# Altium PCB 256sog - killed.PcbDoc (part 4 of 4)
Units mm, origin at the board's own origin, x right, y up, seen from the top; angles counter-clockwise.
Board outline 297 x 210 mm, 4 copper layers (Top Layer, Power Plane, Ground Plane, Bottom Layer); 217 components, 330 nets, 1251 pads, 678 vias.
Unrouted connection lines stored in the file: 1.
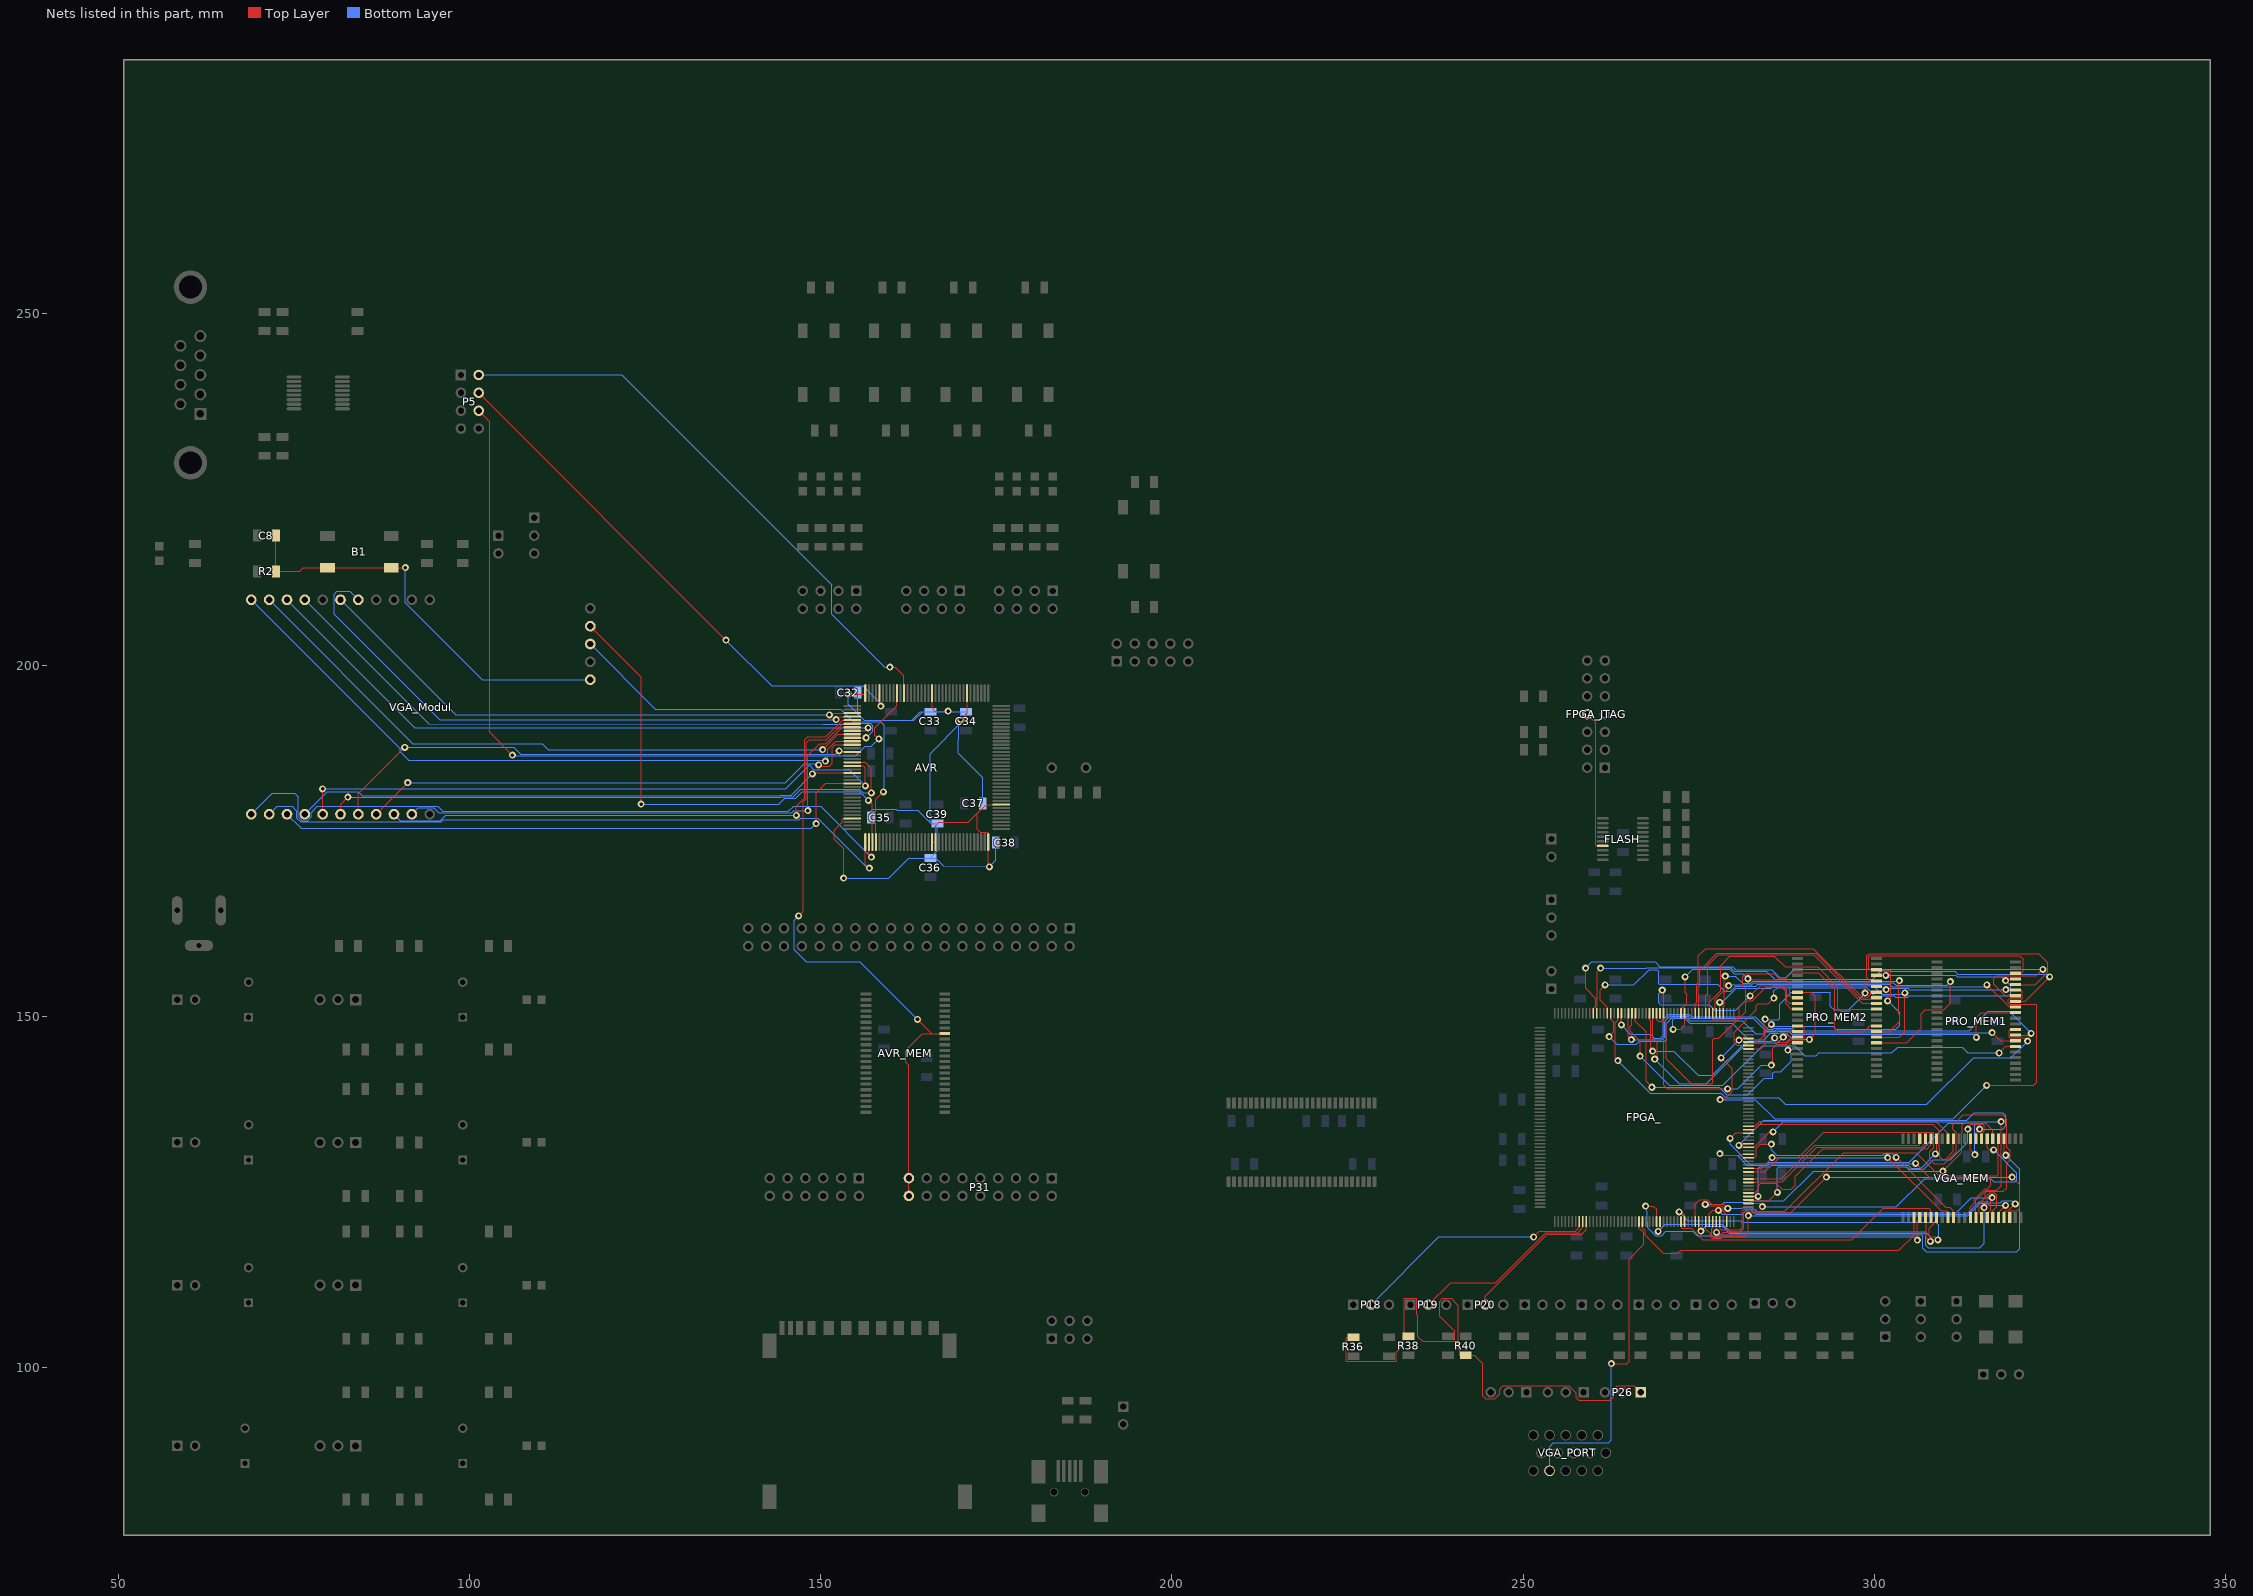
[diagram p6: the nets of this part, all layers, seen from the top]

## Via types
v1: diameter 1, hole 0.5, Top Layer to Bottom Layer, 678 vias

## Nets (pads, with @x,y where several pads share a name; then routed paths per layer and width w, separated by ;. In a path a pad name is that pad's centre, name@x,y a point inside that pad or via, vN(x,y) a via of type N, cw(c..) or ccw(c..) an arc to the next point about the centre after c; other vN are vias at no path point) (continued)
PRO_A13: FPGA_.150 PRO_MEM1.20 PRO_MEM2.20 | length 63.4
  Top Layer w0.1: FPGA_.150@282.033,145.386 283.765,145.386 284.458,146.079 284.458,148.035 v1(285.293,148.869) ; v1(301.854,152.222) 302.285,152.654 302.285,156.566 PRO_MEM2.20@300.24,156.66 299.346,156.66 299.136,156.87 299.136,158.496 299.288,158.648 320.65,158.648 321.132,158.166 321.132,156.431 320.853,156.152 PRO_MEM1.20@320.052,156.152
  Bottom Layer w0.1: v1(285.293,148.869) 285.579,148.584 294.062,148.584 294.437,148.209 303.022,148.209 303.555,148.742 303.555,150.52 v1(301.854,152.222)
PRO_A14: FPGA_.151 PRO_MEM1.19 PRO_MEM2.19 | length 69.8
  Top Layer w0.1: FPGA_.151@282.033,145.886 280.453,145.886 280.035,146.304 280.035,147.792 283.17,150.927 283.17,151.587 283.413,151.831 284.876,151.831 v1(285.674,152.629) ; PRO_MEM2.19@300.24,155.86 v1(301.605,155.86) ; v1(318.643,155.118) 318.877,155.352 PRO_MEM1.19@320.052,155.352
  Bottom Layer w0.1: v1(285.674,152.629) 285.674,153.645 286.106,154.076 298.856,154.076 299.974,152.959 302.743,152.959 302.997,152.705 304.698,152.705 304.927,152.933 319.075,152.933 319.354,153.213 319.354,154.407 v1(318.643,155.118) 318.084,155.677 311.735,155.677 311.551,155.86 v1(301.605,155.86)
PRO_A15: FPGA_.152 PRO_MEM1.18 PRO_MEM2.18 | length 66
  Top Layer w0.1: FPGA_.152@282.033,146.386 283.328,146.386 284.258,147.316 284.258,149.486 v1(284.404,149.631) ; v1(298.653,153.314) 298.653,154.635 299.078,155.06 299.346,155.06 ; PRO_MEM1.18@320.052,154.552 322.878,154.552 324.612,156.286 324.612,157.683 323.342,158.953 299.212,158.953 298.909,158.65 298.909,155.497 299.346,155.06 ; 299.346,155.06 PRO_MEM2.18@300.24,155.06 299.346,155.06
  Bottom Layer w0.1: v1(284.404,149.631) 284.505,149.53 286.258,149.53 286.487,149.758 286.487,151.765 288.163,153.441 293.616,153.441 293.692,153.365 293.692,151.494 294.234,150.952 296.291,150.952 v1(298.653,153.314)
PRO_I/O0: FPGA_.160 PRO_MEM2.7 | length 53.5
  Top Layer w0.1: FPGA_.160@278.458,150.461 278.458,151.384 278.613,151.539 278.613,153.391 279.222,154 v1(279.222,154.381) ; PRO_MEM2.7@300.24,146.26 304.546,146.26 306.603,148.317 306.603,150.368 307.188,150.952 309.804,150.952 310.769,151.917 v1(310.769,154.965)
  Bottom Layer w0.1: v1(279.222,154.381) 279.36,154.519 282.484,154.519 282.778,154.813 302.666,154.813 303.047,154.432 310.236,154.432 v1(310.769,154.965)
PRO_I/O1: FPGA_.161 PRO_MEM2.8 | length 39.3
  Top Layer w0.1: FPGA_.161@277.958,150.461 v1(277.958,152.019) ; PRO_MEM2.8@300.24,147.06 303.499,147.06 304.292,147.853 v1(304.292,153.365)
  Bottom Layer w0.1: v1(277.958,152.019) 278.336,152.019 280.335,154.019 285.262,154.019 285.611,154.368 299.812,154.368 301.007,153.172 304.099,153.172 v1(304.292,153.365)
PRO_I/O2: FPGA_.162 PRO_MEM2.9 | length 41.1
  Top Layer w0.1: FPGA_.162@277.458,150.461 277.458,150.901 277.308,151.051 277.308,152.477 278.562,153.731 278.562,155.232 278.74,155.409 v1(278.74,155.741) ; PRO_MEM2.9@300.24,147.86 302.053,147.86 303.545,149.352 303.545,150.251 303.428,150.368 303.428,154.991 v1(303.53,155.092)
  Bottom Layer w0.1: v1(278.74,155.741) 280.187,155.741 281.209,154.719 282.372,154.719 282.68,155.027 303.464,155.027 v1(303.53,155.092)
PRO_I/O3: FPGA_.163 PRO_MEM2.10 | length 37.7
  Top Layer w0.1: FPGA_.163@276.958,150.461 276.958,149.635 277.063,149.53 280.187,149.53 280.746,150.089 280.746,151.42 281.622,152.295 281.622,153.961 281.263,154.32 281.263,155.651 281.684,156.073 285.679,156.073 286.268,155.484 287.386,155.484 288.138,156.235 291.954,156.235 294.335,153.854 294.335,148.336 294.843,147.828 298.482,147.828 299.314,148.66 PRO_MEM2.10@300.24,148.66
PRO_I/O4: FPGA_.164 PRO_MEM2.13 | length 35.3
  Top Layer w0.1: FPGA_.164@276.458,150.461 276.458,152.025 278.09,153.656 278.09,157.245 279.414,158.57 285.748,158.57 287.269,157.048 291.897,157.048 294.785,154.16 294.785,151.181 295.191,150.774 296.388,150.774 296.673,151.06 PRO_MEM2.13@300.24,151.06
PRO_I/O5: FPGA_.165 PRO_MEM2.14 | length 34.4
  Top Layer w0.1: FPGA_.165@275.958,150.461 275.958,152.94 276.238,153.22 276.238,157.268 277.741,158.771 291.317,158.771 298.228,151.86 PRO_MEM2.14@300.24,151.86
PRO_I/O6: FPGA_.167 PRO_MEM2.15 | length 35.1
  Top Layer w0.1: FPGA_.167@274.958,150.461 274.958,153 274.889,153.069 274.889,154.169 275.089,154.369 275.089,156.52 277.541,158.971 291.587,158.971 298.094,152.464 299.308,152.464 299.503,152.66 PRO_MEM2.15@300.24,152.66
PRO_I/O7: FPGA_.168 PRO_MEM2.16 | length 37.5
  Top Layer w0.1: FPGA_.168@274.458,150.461 274.458,151.79 274.689,152.022 274.689,154.569 274.889,154.769 274.889,158.622 275.937,159.67 291.292,159.67 298.298,152.664 298.943,152.664 299.441,153.162 299.441,153.46 PRO_MEM2.16@300.24,153.46
PRO_I/O8: FPGA_.171 PRO_MEM2.29 | length 35.8
  Top Layer w0.1: v1(271.323,148.158) 272.374,148.158 272.958,148.742 FPGA_.171@272.958,150.461 ; PRO_MEM2.29@289.04,153.46 290.982,153.46 291.541,152.901 291.541,147.54 v1(290.728,146.727)
  Bottom Layer w0.1: v1(271.323,148.158) 271.297,148.184 271.297,149.603 271.431,149.736 272.974,149.736 273.663,149.047 279.73,149.047 282.054,146.723 284.258,146.723 285.124,147.589 286.381,147.589 286.508,147.716 287.325,147.716 288.314,146.727 v1(290.728,146.727)
PRO_I/O9: FPGA_.172 PRO_MEM2.30 | length 24.9
  Top Layer w0.1: FPGA_.172@272.458,150.461 272.458,151.249 272.697,151.249 273.238,151.79 273.238,153.198 273.035,153.401 v1(273.035,155.636) ; v1(281.965,155.372) 282.118,155.219 287.325,155.219 287.897,154.647 287.897,152.901 288.138,152.66 PRO_MEM2.30@289.04,152.66
  Bottom Layer w0.1: v1(273.035,155.636) 274.106,156.708 279.39,156.708 280.014,156.083 281.254,156.083 v1(281.965,155.372)
PRO_I/O10: FPGA_.177 PRO_MEM2.31 | length 29
  Top Layer w0.1: v1(269.773,153.746) 269.958,153.562 FPGA_.177@269.958,150.461 ; v1(282.274,152.945) 283.696,154.368 286.918,154.368 287.518,153.768 287.518,152.263 287.92,151.86 PRO_MEM2.31@289.04,151.86
  Bottom Layer w0.1: v1(269.773,153.746) 269.24,153.213 269.24,151.968 269.519,151.689 276.44,151.689 277.227,150.901 280.23,150.901 v1(282.274,152.945)
PRO_I/O11: FPGA_.178 PRO_MEM2.32 | length 39.4
  Top Layer w0.1: FPGA_.178@269.458,150.461 269.458,149.657 269.85,149.528 270.338,149.04 270.338,143.998 273.914,140.422 276.769,140.422 276.947,140.599 276.947,146.667 277.165,146.885 277.847,146.885 281.627,150.664 281.627,151.967 281.922,152.263 282.598,152.263 284.503,154.168 286.766,154.168 287.314,153.619 287.314,151.883 288.138,151.06 PRO_MEM2.32@289.04,151.06
PRO_I/O12: FPGA_.179 PRO_MEM2.35 | length 38.2
  Top Layer w0.1: FPGA_.179@268.958,150.461 268.958,149.555 269.187,149.327 269.596,149.327 269.963,148.959 269.963,140.208 270.471,139.7 v1(279.07,139.7) ; v1(285.318,143.078) 285.471,143.231 285.471,145.491 286.004,146.025 287.426,146.025 288.087,146.685 289.966,146.685 289.966,148.558 289.865,148.66 PRO_MEM2.35@289.04,148.66
  Bottom Layer w0.1: v1(279.07,139.7) 280.518,139.7 283.896,143.078 v1(285.318,143.078)
PRO_I/O13: FPGA_.180 PRO_MEM2.36 | length 31.8
  Top Layer w0.1: FPGA_.180@268.458,150.461 268.438,149.628 268.438,146.899 269.052,146.284 269.052,144.287 v1(268.707,143.942) ; v1(286.995,147.066) 287.789,147.86 PRO_MEM2.36@289.04,147.86
  Bottom Layer w0.1: v1(268.707,143.942) 272.227,140.422 276.007,140.422 281.857,146.272 286.201,146.272 v1(286.995,147.066)
PRO_I/O14: FPGA_.181 PRO_MEM2.37 | length 30.4
  Top Layer w0.1: FPGA_.181@267.958,150.461 267.958,149.581 268.137,149.401 268.137,145.349 v1(268.402,145.085) ; v1(285.75,146.939) 286.334,146.355 287.426,146.355 288.132,147.06 PRO_MEM2.37@289.04,147.06
  Bottom Layer w0.1: v1(268.402,145.085) 271.424,145.085 274.879,141.63 276.924,141.63 281.776,146.482 285.293,146.482 v1(285.75,146.939)
PRO_I/O15: FPGA_.185 PRO_MEM2.38 | length 38.1
  Top Layer w0.1: FPGA_.185@265.958,150.461 265.958,149.316 267.474,147.8 267.474,140.755 v1(268.3,139.929) ; v1(287.655,145.212) 287.655,145.803 288.112,146.26 PRO_MEM2.38@289.04,146.26
  Bottom Layer w0.1: v1(268.3,139.929) 277.876,139.929 278.968,138.836 281.94,138.836 284.31,141.206 285.48,141.206 285.48,141.513 285.496,141.91 285.699,142.113 286.639,142.113 288.138,143.612 288.138,144.729 v1(287.655,145.212)
PRO_I/O16: FPGA_.186 PRO_MEM1.7 | length 66.1
  Top Layer w0.1: FPGA_.186@265.458,150.461 265.458,148.799 265.237,148.579 265.237,147.876 266.624,146.489 v1(266.624,144.362) ; v1(317.729,144.805) 318.675,145.752 PRO_MEM1.7@320.052,145.752
  Bottom Layer w0.1: v1(266.624,144.362) 270.764,140.222 278.409,140.222 284.06,145.872 288.62,145.872 290.089,144.404 291.675,144.404 292.076,144.805 302.465,144.805 303.278,145.618 312.471,145.618 313.284,144.805 v1(317.729,144.805)
PRO_I/O17: FPGA_.187 PRO_MEM1.8 | length 62.9
  Top Layer w0.1: FPGA_.187@264.958,150.461 264.958,147.117 v1(265.364,146.71) ; v1(316.732,147.701) 317.881,146.552 PRO_MEM1.8@320.052,146.552
  Bottom Layer w0.1: v1(265.364,146.71) 265.376,146.699 269.733,146.699 270.138,147.103 270.138,149.345 270.928,150.136 273.328,150.136 273.682,149.782 282.755,149.782 284.538,147.999 285.861,147.999 285.981,148.119 287.971,148.119 288.389,147.701 v1(316.732,147.701)
PRO_I/O18: FPGA_.189 PRO_MEM1.9 | length 69.4
  Top Layer w0.1: v1(263.958,148.793) FPGA_.189@263.958,150.461 ; PRO_MEM1.9@320.052,147.352 322.041,147.352 v1(322.282,147.593)
  Bottom Layer w0.1: v1(263.958,148.793) 265.252,147.499 268.055,147.499 268.656,146.899 269.53,146.899 269.938,147.306 269.938,149.592 270.681,150.336 273.563,150.336 273.917,149.982 283.022,149.982 284.804,148.199 285.541,148.199 285.661,148.319 288.303,148.319 288.646,147.977 313.432,147.977 316.205,150.749 319.126,150.749 v1(322.282,147.593)
PRO_I/O19: FPGA_.190 PRO_MEM1.10 | length 76.5
  Top Layer w0.1: v1(263.458,143.713) 263.105,144.066 263.105,149.09 263.458,149.443 FPGA_.190@263.458,150.461 ; PRO_MEM1.10@320.052,148.152 319.227,148.152 319.126,148.05 319.126,147.066 319.227,146.964 321.31,146.964 v1(321.767,146.507)
  Bottom Layer w0.1: v1(263.458,143.713) 268.081,139.091 278.176,139.091 278.835,138.431 286.324,138.431 287.259,137.496 307.447,137.496 314.096,144.145 319.405,144.145 v1(321.767,146.507)
PRO_I/O20: FPGA_.192 PRO_MEM1.13 | length 69.7
  Top Layer w0.1: v1(262.204,147.142) 262.905,147.843 262.905,149.159 262.458,149.606 FPGA_.192@262.458,150.461 ; v1(314.477,147.041) 314.477,149.835 315.195,150.552 PRO_MEM1.13@320.052,150.552
  Bottom Layer w0.1: v1(262.204,147.142) 263.286,146.06 266.1,146.06 266.539,146.499 270.126,146.499 270.338,146.71 270.338,149.002 271.272,149.936 273.126,149.936 273.681,149.382 281.188,149.382 283.047,147.523 284.247,147.523 284.518,147.794 286.181,147.794 286.303,147.916 287.77,147.916 288.239,147.447 314.071,147.447 v1(314.477,147.041)
PRO_I/O21: FPGA_.193 PRO_MEM1.14 | length 68.3
  Top Layer w0.1: v1(261.645,154.508) 260.94,153.802 260.94,152.344 261.958,151.325 FPGA_.193@261.958,150.461 ; v1(315.969,154.508) 319.126,151.352 PRO_MEM1.14@320.052,151.352
  Bottom Layer w0.1: v1(261.645,154.508) 265.745,154.508 267.919,156.682 269.007,156.682 269.24,156.449 269.24,154.671 269.338,154.572 277.69,154.572 278.643,153.619 279.542,153.619 280.242,154.319 283.105,154.319 283.359,154.572 302.113,154.572 302.459,154.226 315.688,154.226 v1(315.969,154.508)
PRO_I/O22: FPGA_.196 PRO_MEM1.15 | length 78.4
  Top Layer w0.1: FPGA_.196@260.458,150.461 260.458,151.156 260.54,151.156 260.54,156.4 v1(261.01,156.87) ; PRO_MEM1.15@320.052,152.152 321.418,152.152 v1(324.891,155.626)
  Bottom Layer w0.1: v1(261.01,156.87) 267.515,156.87 267.552,156.908 279.547,156.908 280.022,156.432 284.601,156.432 285.749,155.284 299.729,155.284 300.975,156.53 302.178,156.53 302.275,156.432 311.448,156.432 311.848,156.032 324.485,156.032 v1(324.891,155.626)
PRO_I/O23: FPGA_.197 PRO_MEM1.16 | length 86.2
  Top Layer w0.1: v1(258.851,156.896) 258.851,153.99 260.34,152.502 260.34,151.486 259.958,151.105 FPGA_.197@259.958,150.461 ; PRO_MEM1.16@320.052,152.952 318.618,152.952 316.977,154.593 316.977,155.346 317.398,155.768 323.027,155.768 v1(323.952,156.693)
  Bottom Layer w0.1: v1(258.851,156.896) 259.712,157.756 268.752,157.756 269.401,157.108 279.79,157.108 280.265,156.632 285.363,156.632 286.512,155.484 287.325,155.484 288.571,156.73 302.475,156.73 302.512,156.693 v1(323.952,156.693)
PRO_WE: FPGA_.153 PRO_MEM1.17 PRO_MEM2.17 | length 100.8
  Top Layer w0.1: v1(278.003,138.176) 278.536,138.176 279.72,139.359 279.72,142.53 v1(278.155,144.094) ; v1(280.695,146.634) 280.947,146.886 FPGA_.153@282.033,146.886 ; PRO_MEM2.17@300.24,154.26 301.187,154.26 v1(301.625,153.822) ; v1(315.925,140.183) 322.631,140.183 323.063,140.614 323.063,151.613 322.936,151.74 319.227,151.74 319.024,151.943 319.024,152.349 319.227,152.552 320.98,152.552 320.98,153.625 320.853,153.752 PRO_MEM1.17@320.052,153.752 318.764,153.752 v1(318.694,153.822)
  Bottom Layer w0.1: v1(278.003,138.176) 283.007,138.176 285.754,135.429 311.172,135.429 v1(315.925,140.183) ; v1(278.155,144.094) v1(280.695,146.634) ; v1(301.625,153.822) 301.82,154.017 304.737,154.017 304.932,153.822 v1(318.694,153.822)
RED: P26.1 R36.2 R38.2 R40.2 | length 87.3
  Top Layer w0.1: R36.2@225.806,104.347 224.895,104.347 224.79,104.242 224.79,100.94 231.902,100.94 231.902,102.235 232.918,103.251 232.918,104.474 R38.2@233.02,104.474 ; P26.1@266.7,96.52 265.786,97.434 263.347,97.434 262.89,96.977 262.89,95.91 262.331,95.352 257.861,95.352 257.505,95.707 257.505,96.368 256.438,97.434 247.091,97.434 246.634,96.977 246.634,96.317 245.923,95.606 244.653,95.606 244.246,96.012 244.246,100.555 243.027,101.774 R40.2@241.808,101.774 240.97,101.774 240.97,102.489 240.767,102.692 240.767,108.864 239.765,109.866 238.557,109.866 238.114,109.423 238.114,107.335 240.268,105.181 240.268,103.759 235.687,103.759 235.001,104.445 235.001,107.377 234.834,107.544 234.834,109.866 233.034,109.866 233.034,109.488 233.02,109.474 R38.2@233.02,104.474 ; R38.2@233.02,104.474 R38.2@233.68,104.474 R38.2@233.02,104.474
RED0: FPGA_.60 P18.2 | length 35
  Top Layer w0.1: v1(251.46,118.618) 252.281,119.439 257.408,119.439 257.958,119.99 FPGA_.60@257.958,120.811
  Bottom Layer w0.1: P18.2@228.346,108.966 237.998,118.618 v1(251.46,118.618)
RED1: FPGA_.61 P19.2 | length 27.4
  Top Layer w0.1: P19.2@236.474,108.966 239.649,112.141 246.101,112.141 253.199,119.239 257.712,119.239 258.458,119.985 FPGA_.61@258.458,120.811
RED2: FPGA_.62 P20.2 | length 20.6
  Top Layer w0.1: P20.2@244.602,108.966 244.602,110.185 253.441,119.024 258.298,119.024 258.958,119.685 FPGA_.62@258.958,120.811
RTS: AVR.32 P5.4 | length 77.9
  Top Layer w0.1: P5.4@101.346,238.76 v1(136.525,203.581) ; AVR.32@158.35,196.02 158.35,194.38 v1(158.572,194.158)
  Bottom Layer w0.1: v1(136.525,203.581) 143.018,197.088 155.981,197.088 158.572,194.497 v1(158.572,194.158)
RXD: AVR.25 P5.2 | length 83.2
  Top Layer w0.1: v1(159.842,199.72) 160.604,199.72 161.85,198.474 AVR.25@161.85,196.02
  Bottom Layer w0.1: P5.2@101.346,241.3 121.717,241.3 151.562,211.455 151.562,207.264 159.106,199.72 v1(159.842,199.72)
TXD: AVR.27 P5.6 | length 112.2
  Top Layer w0.1: P5.6@101.346,236.22 102.895,234.671 102.895,190.424 v1(106.121,187.198) ; v1(158.267,189.509) 157.719,190.058 157.719,191.12 160.85,194.251 AVR.27@160.85,196.02
  Bottom Layer w0.1: v1(106.121,187.198) 106.223,187.096 154.991,187.096 156.362,188.468 157.226,188.468 v1(158.267,189.509)
V-SYNC: FPGA_.77 VGA_PORT.14 | length 47.2
  Top Layer w0.1: v1(262.534,100.584) 264.719,100.584 265.074,100.94 265.074,115.468 267.166,117.56 267.166,119.24 266.458,119.947 FPGA_.77@266.458,120.811
  Bottom Layer w0.1: VGA_PORT.14@253.734,85.344 253.734,88.786 254.279,89.332 262.128,89.332 262.534,89.738 v1(262.534,100.584)
VCC: AVR.7 AVR.17 AVR.36 AVR.69 AVR.92 AVR.93 AVR.108 AVR.116 C32.1 C33.1 C34.1 C35.1 C36.1 C37.1 C38.1 C39.1 | length 158.9
  Top Layer w0.1: v1(153.264,169.697) 153.264,173.876 151.924,175.215 151.924,176.499 153.052,177.627 153.052,178.009 153.213,178.17 AVR.69@154.5,178.17 ; v1(153.924,195.885) 156.35,195.885 AVR.36@156.35,196.02 ; AVR.92@165.85,174.82 AVR.93@166.35,174.82 166.35,177.196 166.788,177.634 171.001,177.634 172.288,178.925 ; AVR.17@165.85,196.02 165.85,193.853 166.256,193.446 v1(168.148,193.446) ; v1(169.926,192.227) 170.85,193.151 AVR.7@170.85,196.02 ; v1(174.015,171.298) 173.85,171.463 AVR.108@173.85,174.82 173.85,176.124 173.723,176.251 172.72,176.251 172.288,176.682 172.288,178.925 ; AVR.116@175.7,180.17 173.533,180.17 172.288,178.925
  Bottom Layer w0.1: v1(153.264,169.697) 159.685,169.697 162.534,172.546 C36.1@165.608,172.546 ; v1(153.924,195.885) 153.924,194.437 155.274,193.087 ; C32.1@155.274,196.088 155.274,193.087 ; C35.1@157.146,178.308 157.146,179.222 157.432,179.508 160.746,179.508 160.879,179.375 163.834,179.375 165.608,177.601 ; v1(168.148,193.446) v1@168.163,193.432 ; v1(169.926,192.227) C34.1@169.926,193.374 ; C37.1@173.054,180.34 173.054,183.979 169.57,187.462 169.621,191.414 170.164,192.009 170.688,192.583 ; C38.1@174.926,174.752 174.926,172.208 v1(174.015,171.298) 167.447,171.469 166.37,172.546 C36.1@165.608,172.546 ; 155.274,193.087 155.274,193.04 156.169,192.145 162.931,192.145 162.937,192.151 ; 155.274,193.087 156.21,192.151 162.937,192.151 ; 162.937,192.151 164.16,193.374 164.494,193.374 ; 162.937,192.151 163.271,192.151 164.494,193.374 ; 164.494,193.374 C33.1@165.608,193.374 ; 164.494,193.374 C33.1@165.608,193.374 ; C36.1@165.608,172.546 166.624,173.562 C39.1@166.624,177.466 ; 165.608,177.601 165.608,187.401 170.137,192.021 170.688,192.583 ; 165.608,177.601 C39.1@166.624,177.466 ; 165.608,177.601 165.743,177.466 C39.1@166.624,177.466 ; C33.1@165.608,193.374 165.608,193.396 168.126,193.396 v1@168.163,193.432 ; v1@168.163,193.432 C34.1@170.688,193.374 ; v1@168.163,193.432 168.22,193.374 C34.1@169.926,193.374 ; C34.1@169.926,193.374 C34.1@170.688,193.374 ; C34.1@169.926,193.374 C34.1@170.688,193.374 ; 170.688,192.583 C34.1@170.688,193.374
VGA_A0: FPGA_.78 VGA_MEM.3 | length 45
  Top Layer w0.1: FPGA_.78@266.958,120.811 266.958,119.947 267.366,119.54 267.366,118.845 269.894,116.317 272.019,116.317 272.405,116.703 303.433,116.703 305.62,118.889 VGA_MEM.3@305.62,121.4
VGA_A1: FPGA_.82 VGA_MEM.4 | length 49.7
  Top Layer w0.1: v1(267.411,123.012) 268.499,123.012 268.958,122.553 FPGA_.82@268.958,120.811 ; v1(306.071,118.186) 306.071,120.862 306.42,121.211 VGA_MEM.4@306.42,121.4
  Bottom Layer w0.1: v1(267.411,123.012) 267.512,123.012 267.614,119.99 268.834,118.77 269.672,118.77 270.307,119.405 274.117,119.405 274.726,118.796 276.881,118.796 277.048,118.628 305.628,118.628 v1(306.071,118.186)
VGA_A2: FPGA_.83 VGA_MEM.5 | length 45.9
  Top Layer w0.1: v1(269.189,119.431) 269.458,119.7 FPGA_.83@269.458,120.811 ; VGA_MEM.5@307.22,121.4 307.22,121.211 307.38,121.211 307.38,118.527 v1(307.924,117.983)
  Bottom Layer w0.1: v1(269.189,119.431) 270.207,120.448 278.339,120.448 279.423,119.365 307.238,119.365 307.924,118.679 v1(307.924,117.983)
VGA_A3: FPGA_.89 VGA_MEM.6 | length 40.1
  Top Layer w0.1: FPGA_.89@272.458,120.811 272.458,119.99 272.585,119.863 273.915,119.863 275.549,118.228 296.765,118.228 301.235,122.698 307.742,122.698 308.02,122.42 VGA_MEM.6@308.02,121.4
VGA_A4: FPGA_.90 VGA_MEM.7 | length 46.4
  Top Layer w0.1: v1(272.161,122.199) 272.501,122.199 272.958,121.742 FPGA_.90@272.958,120.811 ; VGA_MEM.7@308.82,121.4 308.82,120.853 308.559,120.853 308.559,120.65 307.797,119.888 307.797,118.821 307.985,118.633 308.595,118.633 v1(309.016,118.212)
  Bottom Layer w0.1: v1(272.161,122.199) 273.399,120.961 280.919,120.961 281.192,120.689 308.723,120.689 309.118,120.294 309.118,118.313 v1(309.016,118.212)
VGA_A5: FPGA_.93 VGA_MEM.16 | length 49.8
  Top Layer w0.1: FPGA_.93@274.458,120.811 274.458,123.252 275.123,123.916 276.174,123.916 276.824,123.266 278.536,123.266 v1(279.095,122.707) ; VGA_MEM.16@316.02,121.4 316.02,121.945 316.509,122.435 316.509,124.054 316.687,124.231 v1(316.713,124.231)
  Bottom Layer w0.1: v1(279.095,122.707) 281.104,122.707 281.192,122.795 282.575,122.795 283.284,122.086 311.595,122.086 313.741,124.231 v1(316.713,124.231)
VGA_A6: FPGA_.94 VGA_MEM.17 | length 56.5
  Top Layer w0.1: FPGA_.94@274.958,120.811 274.958,119.758 v1(275.26,119.456) ; v1(315.57,122.784) 316.052,123.266 316.052,124.562 316.382,124.892 317.043,124.892 317.373,124.562 317.373,122.936 316.82,122.383 VGA_MEM.17@316.82,121.4
  Bottom Layer w0.1: v1(275.26,119.456) 275.946,120.142 278.359,120.142 279.336,119.165 307.061,119.165 307.264,118.962 307.264,117.45 307.619,117.094 314.96,117.094 315.57,117.704 v1(315.57,122.784)
VGA_A7: FPGA_.96 VGA_MEM.18 | length 50.3
  Top Layer w0.1: FPGA_.96@275.958,120.811 275.958,119.736 276.645,119.049 276.645,118.669 276.885,118.428 278.148,118.428 278.439,118.72 281.483,118.72 282.042,119.278 v1(282.042,121.666) ; VGA_MEM.18@317.62,121.4 317.62,122.091 v1(318.643,123.114)
  Bottom Layer w0.1: v1(282.042,121.666) 313.284,121.666 315.062,123.444 316.001,123.444 316.332,123.114 v1(318.643,123.114)
VGA_A8: FPGA_.97 VGA_MEM.19 | length 49.7
  Top Layer w0.1: FPGA_.97@276.458,120.811 276.458,121.92 276.941,122.403 v1(277.774,122.403) ; VGA_MEM.19@318.42,121.4 318.42,122.225 318.572,122.377 319.046,122.377 v1(320.013,123.344)
  Bottom Layer w0.1: v1(277.774,122.403) 278.323,121.854 281.168,121.854 281.909,122.595 282.337,122.595 283.046,121.886 313.094,121.886 314.855,123.647 316.103,123.647 316.281,123.469 317.881,123.469 318.186,123.774 319.583,123.774 v1(320.013,123.344)
VGA_A9: FPGA_.98 VGA_MEM.20 | length 57.2
  Top Layer w0.1: FPGA_.98@276.958,120.811 276.958,119.939 276.845,119.826 276.845,118.872 277.089,118.628 277.81,118.628 278.467,119.285 280.822,119.285 281.375,119.837 281.375,122.066 281.686,122.377 282.321,122.377 282.626,122.072 288.061,122.072 v1(293.128,127.139) ; VGA_MEM.20@319.22,121.4 319.22,122.192 319.354,122.326 320.269,122.326 320.675,122.733 320.675,126.035 v1(319.571,127.139)
  Bottom Layer w0.1: v1(293.128,127.139) v1(319.571,127.139)
VGA_A10: FPGA_.99 VGA_MEM.26 | length 63.7
  Top Layer w0.1: FPGA_.99@277.458,120.811 277.458,119.315 v1(277.495,119.278) ; VGA_MEM.26@318.42,132.6 318.42,130.5 v1(318.668,130.251)
  Bottom Layer w0.1: v1(277.495,119.278) 277.808,118.965 306.714,118.965 306.857,118.821 306.857,117.043 307.365,116.535 320.243,116.535 320.675,116.967 320.675,128.245 v1(318.668,130.251)
VGA_A11: FPGA_.100 VGA_MEM.27 | length 53.4
  Top Layer w0.1: FPGA_.100@277.958,120.811 277.958,119.837 278.139,119.656 280.841,119.656 281.175,119.99 281.175,122.326 281.429,122.58 283.032,122.58 283.337,122.276 287.223,122.276 295.58,130.632 305.918,130.632 309.22,127.33 317.417,127.33 317.62,127.533 VGA_MEM.27@317.62,132.6
VGA_A12: FPGA_.102 VGA_MEM.28 | length 54.5
  Top Layer w0.1: v1(275.895,123.266) 276.108,123.053 278.181,123.053 278.445,122.788 278.445,122.199 278.958,121.687 FPGA_.102@278.958,120.811 ; v1(309.702,127.991) 312.42,130.708 312.42,133.481 312.467,133.528 312.467,134.58 312.725,134.838 315.791,134.838 316.82,133.809 VGA_MEM.28@316.82,132.6
  Bottom Layer w0.1: v1(275.895,123.266) 275.906,123.278 278.29,123.278 278.57,123.557 282.328,123.557 282.53,123.759 287.081,123.759 291.313,127.991 v1(309.702,127.991)
VGA_A13: FPGA_.106 VGA_MEM.29 | length 48.4
  Top Layer w0.1: FPGA_.106@282.033,123.386 283.573,123.386 v1(284.023,122.936) ; VGA_MEM.29@316.02,132.6 316.02,131.318 316.325,131.013 v1(316.941,131.013)
  Bottom Layer w0.1: v1(284.023,122.936) 303.098,122.936 307.101,126.939 316.499,126.939 316.971,126.467 320.04,126.467 320.243,126.67 320.243,127.711 v1(316.941,131.013)
VGA_A14: FPGA_.107 VGA_MEM.30 | length 43.8
  Top Layer w0.1: FPGA_.107@282.033,123.886 282.763,123.886 282.763,123.759 284.946,123.759 v1(286.144,124.958) ; v1(313.284,133.985) 313.284,134.178 313.741,134.635 315.366,134.635 315.585,134.417 315.585,133.69 315.22,133.325 VGA_MEM.30@315.22,132.6
  Bottom Layer w0.1: v1(286.144,124.958) 286.144,128.436 286.334,128.626 304.598,128.626 304.992,128.232 306.997,128.232 308.366,129.601 310.754,129.601 313.284,132.131 v1(313.284,133.985)
VGA_A15: FPGA_.108 VGA_MEM.38 | length 34
  Top Layer w0.1: FPGA_.108@282.033,124.386 283.39,124.386 v1(283.413,124.409) ; v1(308.635,130.454) 308.82,130.639 VGA_MEM.38@308.82,132.6
  Bottom Layer w0.1: v1(283.413,124.409) 283.413,128.422 283.62,128.629 285.163,128.629 285.388,128.854 304.77,128.854 305.192,128.432 306.613,128.432 v1(308.635,130.454)
VGA_A16: FPGA_.109 VGA_MEM.39 | length 31.5
  Top Layer w0.1: FPGA_.109@282.033,124.886 282.905,124.886 283.489,125.47 283.489,125.984 283.807,126.302 285.915,126.302 286.817,125.4 288.138,125.4 288.716,125.979 288.716,127.274 292.633,131.191 307.467,131.191 308.02,131.744 VGA_MEM.39@308.02,132.6
VGA_A17: FPGA_.112 VGA_MEM.40 | length 28.2
  Top Layer w0.1: FPGA_.112@282.033,126.386 283.18,126.386 283.296,126.502 286.852,126.502 291.744,131.394 306.687,131.394 307.22,131.928 VGA_MEM.40@307.22,132.6
VGA_A18: FPGA_.113 VGA_MEM.41 | length 27.2
  Top Layer w0.1: FPGA_.113@282.033,126.886 286.728,126.886 291.49,131.648 306.293,131.648 306.42,131.775 VGA_MEM.41@306.42,132.6
VGA_BUS0: AVR.39 VGA_Modul.6 | length 79.7
  Top Layer w0.1: v1(151.232,192.913) 151.489,193.17 AVR.39@154.5,193.17
  Bottom Layer w0.1: VGA_Modul.6@81.661,209.296 98.044,192.913 v1(151.232,192.913)
VGA_BUS1: AVR.40 VGA_Modul.7 | length 87.1
  Top Layer w0.1: v1(152.197,192.253) 152.614,192.67 AVR.40@154.5,192.67
  Bottom Layer w0.1: VGA_Modul.7@84.201,209.296 82.982,210.515 81.153,210.515 80.747,210.109 80.747,207.264 95.758,192.253 v1(152.197,192.253)
VGA_BUS2: AVR.41 VGA_Modul.20 | length 77.1
  Top Layer w0.1: v1(146.533,178.638) 146.533,179.908 147.744,181.12 147.744,189.382 148.151,189.789 150.73,189.789 153.111,192.17 AVR.41@154.5,192.17
  Bottom Layer w0.1: VGA_Modul.20@89.281,178.796 90.193,177.884 95.885,177.884 96.639,178.638 v1(146.533,178.638)
VGA_BUS3: AVR.43 VGA_Modul.21 | length 73
  Top Layer w0.1: v1(148.169,179.29) 148.169,187.158 149.85,188.839 150.739,188.839 153.07,191.17 AVR.43@154.5,191.17
  Bottom Layer w0.1: VGA_Modul.21@91.821,178.796 92.733,179.708 94.94,179.708 95.666,178.982 145.882,178.982 146.189,179.29 v1(148.169,179.29)
VGA_BUS4: AVR.44 VGA_Modul.3 | length 92.7
  Top Layer w0.1: AVR.44@154.5,190.67 156.329,190.67 v1(156.743,191.084)
  Bottom Layer w0.1: VGA_Modul.3@74.041,209.296 92.253,191.084 v1(156.743,191.084)
VGA_BUS5: AVR.45 VGA_Modul.2 | length 92.7
  Top Layer w0.1: v1(150.266,187.985) 152.451,190.17 AVR.45@154.5,190.17
  Bottom Layer w0.1: VGA_Modul.2@71.501,209.296 91.973,188.824 110.388,188.824 111.227,187.985 v1(150.266,187.985)
VGA_BUS6: AVR.46 VGA_Modul.4 | length 92.4
  Top Layer w0.1: AVR.46@154.5,189.67 v1(156.472,189.67)
  Bottom Layer w0.1: VGA_Modul.4@76.581,209.296 94.209,191.668 150.368,191.592 153.772,191.592 153.924,191.745 157.074,191.745 157.404,191.414 157.404,190.602 v1(156.472,189.67)
VGA_BUS7: AVR.47 VGA_Modul.1 | length 97.3
  Top Layer w0.1: v1(150.673,186.36) 150.978,186.665 150.978,188.025 152.122,189.17 AVR.47@154.5,189.17
  Bottom Layer w0.1: VGA_Modul.1@68.961,209.296 90.15,188.107 90.15,187.661 91.35,186.461 150.571,186.461 v1(150.673,186.36)
VGA_BUS8: AVR.48 VGA_Modul.19 | length 73.5
  Top Layer w0.1: VGA_Modul.19@86.741,178.796 v1(91.231,183.286) ; v1(149.708,185.801) 149.9,185.608 151.191,185.608 151.638,186.055 151.638,188.273 152.035,188.67 AVR.48@154.5,188.67
  Bottom Layer w0.1: v1(91.231,183.286) 144.949,183.286 147.654,185.991 149.518,185.991 v1(149.708,185.801)
VGA_BUS9: AVR.50 VGA_Modul.18 | length 76.6
  Top Layer w0.1: VGA_Modul.18@84.201,178.796 84.201,181.712 v1(90.805,188.316) ; v1(152.629,187.808) 152.766,187.67 AVR.50@154.5,187.67
  Bottom Layer w0.1: v1(90.805,188.316) 106.316,188.316 107.317,187.315 152.136,187.315 v1(152.629,187.808)
VGA_BUS10: AVR.53 VGA_Modul.17 | length 84.6
  Top Layer w0.1: VGA_Modul.17@81.661,178.796 81.661,180.188 v1(82.702,181.229) ; AVR.53@154.5,186.17 156.349,186.17 157.223,185.296 v1(157.223,181.839)
  Bottom Layer w0.1: v1(82.702,181.229) 144.362,181.229 144.424,181.292 146.065,181.292 147.145,182.372 155.494,182.372 156.028,181.839 v1(157.223,181.839)
VGA_BUS11: AVR.54 VGA_Modul.16 | length 88
  Top Layer w0.1: VGA_Modul.16@79.121,178.796 v1(79.121,182.397) ; AVR.54@154.5,185.67 156.058,185.67 156.362,185.365 v1(156.362,182.829)
  Bottom Layer w0.1: v1(79.121,182.397) 145.009,182.397 148.387,185.776 148.423,185.776 149.047,185.151 154.041,185.151 v1(156.362,182.829)
VGA_BUS12: AVR.56 VGA_Modul.15 | length 80.8
  Top Layer w0.1: v1(148.819,184.531) 148.958,184.67 AVR.56@154.5,184.67
  Bottom Layer w0.1: VGA_Modul.15@76.581,178.796 79.759,181.974 84.178,181.974 84.721,181.432 144.162,181.432 144.221,181.492 145.779,181.492 v1(148.819,184.531)
VGA_BUS13: AVR.59 VGA_Modul.14 | length 86.5
  Top Layer w0.1: v1(149.344,177.437) 149.394,177.486 149.394,181.855 150.709,183.17 AVR.59@154.5,183.17
  Bottom Layer w0.1: VGA_Modul.14@74.041,178.796 76.078,176.759 148.666,176.759 v1(149.344,177.437)
VGA_BUS14: AVR.73 VGA_Modul.13 | length 94.5
  Top Layer w0.1: AVR.73@156.35,174.82 156.35,171.691 v1(156.921,171.12)
  Bottom Layer w0.1: VGA_Modul.13@71.501,178.796 72.633,179.928 74.778,179.928 75.469,179.237 75.469,178.212 75.997,177.684 95.972,177.684 96.276,177.988 146.928,177.988 147.182,178.242 149.568,178.242 156.691,171.12 v1(156.921,171.12)
VGA_BUS15: AVR.74 VGA_Modul.12 | length 99.9
  Top Layer w0.1: AVR.74@156.85,174.82 156.85,173.071 v1(157.226,172.695)
  Bottom Layer w0.1: VGA_Modul.12@68.961,178.796 71.953,181.788 75.184,181.788 75.669,181.303 75.669,178.41 76.195,177.884 76.97,177.884 77.495,178.41 77.495,179.019 78.384,179.908 95.473,179.908 96.199,179.182 145.374,179.182 146.137,179.945 149.975,179.945 v1(157.226,172.695)
VGA_I/O0: FPGA_.116 VGA_MEM.9 | length 33
  Top Layer w0.1: FPGA_.116@282.033,128.386 283.885,128.386 v1(285.42,129.921) ; v1(301.854,129.921) 309.448,122.326 310.318,122.326 310.42,122.225 VGA_MEM.9@310.42,121.4
  Bottom Layer w0.1: v1(285.42,129.921) v1(301.854,129.921)
VGA_I/O1: FPGA_.119 VGA_MEM.10 | length 36.2
  Top Layer w0.1: FPGA_.119@282.033,129.886 282.854,129.886 283.134,130.165 283.134,131.267 283.693,131.826 v1(285.318,131.826) ; v1(303.047,129.961) 310.124,122.885 310.661,122.885 311.22,122.326 VGA_MEM.10@311.22,121.4
  Bottom Layer w0.1: v1(285.318,131.826) 285.318,131.037 286.078,130.277 301.121,130.277 301.416,130.571 302.438,130.571 v1(303.047,129.961)
VGA_I/O2: FPGA_.120 VGA_MEM.13 | length 51.3
  Top Layer w0.1: v1(277.978,130.48) 278.232,130.226 280.942,130.226 281.102,130.386 FPGA_.120@282.033,130.386 ; v1(305.841,129.083) 307.797,127.127 316.23,127.127 316.56,126.797 316.56,125.984 316.078,125.501 315.773,125.501 314.198,123.927 314.198,123.438 313.62,122.86 VGA_MEM.13@313.62,121.4
  Bottom Layer w0.1: v1(277.978,130.48) 278.232,130.226 280.416,130.226 281.788,128.854 284.886,128.854 285.09,129.057 305.816,129.057 v1(305.841,129.083)
VGA_I/O3: FPGA_.122 VGA_MEM.14 | length 53.5
  Top Layer w0.1: FPGA_.122@282.033,131.386 282.854,131.386 285.056,133.588 v1(285.556,133.588) ; VGA_MEM.14@314.42,121.4 314.42,123.825 315.893,125.298 317.398,125.298 318.008,125.908 v1(318.008,135.052)
  Bottom Layer w0.1: v1(285.556,133.588) 286.997,135.029 317.985,135.029 v1(318.008,135.052)
VGA_I/O4: FPGA_.123 VGA_MEM.31 | length 48.5
  Top Layer w0.1: v1(280.67,131.674) 280.882,131.886 FPGA_.123@282.033,131.886 ; VGA_MEM.31@314.42,132.6 314.42,133.47 v1(314.935,133.985)
  Bottom Layer w0.1: v1(280.67,131.674) 284.226,135.229 313.08,135.229 314.173,136.322 318.211,136.322 318.668,135.865 318.668,134.442 318.211,133.985 v1(314.935,133.985)
VGA_I/O5: FPGA_.126 VGA_MEM.32 | length 49
  Top Layer w0.1: v1(279.425,132.665) 280.213,133.452 281.163,133.452 281.229,133.386 FPGA_.126@282.033,133.386 ; VGA_MEM.32@313.62,132.6 313.62,131.007 v1(314.274,130.353)
  Bottom Layer w0.1: v1(279.425,132.665) 279.425,131.798 282.158,129.066 284.796,129.066 284.991,129.261 304.908,129.261 310.476,134.829 313.892,134.829 314.274,134.447 v1(314.274,130.353)
VGA_I/O6: FPGA_.127 VGA_MEM.35 | length 35.9
  Top Layer w0.1: FPGA_.127@282.033,133.886 282.859,133.886 283.626,134.653 308.273,134.653 309.22,133.706 309.22,131.104 309.285,131.039 309.285,130.048 309.641,129.692 310.102,129.692 311.22,130.81 VGA_MEM.35@311.22,132.6
VGA_I/O7: FPGA_.128 VGA_MEM.36 | length 30.2
  Top Layer w0.1: FPGA_.128@282.033,134.386 282.906,134.386 283.634,135.114 308.7,135.114 310.42,133.394 VGA_MEM.36@310.42,132.6
VGA_RESET: B1.3 B1.4 C8.2 R2.1 VGA_Modul.27 | length 59.6
  Top Layer w0.1: C8.2@72.47,218.44 R2.1@72.47,213.36 75.87,213.36 76.378,213.868 B1.3@79.8,213.868 B1.4@88.9,213.868 v1(90.909,213.868)
  Bottom Layer w0.1: v1(90.909,213.868) 90.909,208.89 101.863,197.936 VGA_Modul.27@117.221,197.936
VGA_RX: AVR.76 VGA_Modul.25 | length 63.7
  Top Layer w0.1: AVR.76@157.85,174.82 157.85,180.888 v1(158.928,181.966)
  Bottom Layer w0.1: VGA_Modul.25@117.221,203.016 126.486,193.751 152.832,193.751 154.638,191.945 158.524,191.945 159.019,191.45 159.019,182.057 v1(158.928,181.966)
VGA_TX: AVR.75 VGA_Modul.24 | length 68.1
  Top Layer w0.1: VGA_Modul.24@117.221,205.556 124.46,198.317 v1(124.46,180.213) ; v1(156.794,180.772) 157.35,180.216 AVR.75@157.35,174.82
  Bottom Layer w0.1: v1(124.46,180.213) 144.028,180.213 144.907,181.092 146.446,181.092 147.345,181.991 155.575,181.991 v1(156.794,180.772)
VGA_WE: FPGA_.115 VGA_MEM.15 | length 67.7
  Top Layer w0.1: FPGA_.115@282.033,127.886 284.378,127.886 286.49,129.997 289.204,129.997 292.735,133.528 308.407,133.528 308.407,131.318 307.873,130.785 307.873,129.642 308.458,129.057 309.88,129.057 311.607,130.785 311.607,133.426 311.099,133.934 311.099,134.493 312.598,135.992 318.211,135.992 318.795,135.407 318.795,131.424 319.318,130.901 319.318,129.611 318.795,129.088 318.795,125.578 318.314,125.096 315.976,125.096 315.711,124.831 315.711,124.235 314.909,123.434 314.909,121.945 315.22,121.945 VGA_MEM.15@315.22,121.4
WE: AVR.42 AVR_MEM.15 P31.17 P31.18 | length 91.7
  Top Layer w0.1: v1(146.863,164.313) 147.494,164.944 147.494,180.565 147.944,181.015 147.944,188.976 148.351,189.382 150.822,189.382 153.109,191.67 AVR.42@154.5,191.67 ; P31.18@162.56,124.46 P31.17@162.56,127 162.56,143.071 162.121,143.51 162.121,145.224 164.478,147.58 165.8,147.58 ; v1(163.779,149.601) 165.8,147.58 ; 165.8,147.58 AVR_MEM.15@167.652,147.58 165.8,147.58
  Bottom Layer w0.1: v1(146.863,164.313) 146.22,163.67 146.22,159.494 147.916,157.798 155.582,157.798 v1(163.779,149.601)
XCF_TDO: FLASH.17 FPGA_JTAG.8 | length 20.2
  Top Layer w0.1: FPGA_JTAG.8@259.08,193.04 260.299,191.821 260.299,174.387 260.401,174.285 FLASH.17@261.31,174.285
pads on no net: AVR.30 AVR.49 AVR_MEM.1 AVR_MEM.2 AVR_MEM.21 AVR_MEM.22 AVR_MEM.23 AVR_MEM.24 AVR_MEM.25 AVR_MEM.42 AVR_MEM.43 AVR_MEM.44 DATA_MEM.1 DATA_MEM.3 DATA_MEM.12 DATA_MEM.25 DATA_MEM.27 DATA_MEM.28 DATA_MEM.30 DATA_MEM.40 DATA_MEM.43 DATA_MEM.52 DATA_MEM.54 FLASH.2 FLASH.9 FLASH.12 FLASH.14 FLASH.15 FLASH.16 FPGA_JTAG.12 FPGA_JTAG.14 JTAG1.7 JTAG1.8 Mini_USB. P1.2 P17.2 P33.2 PRO_MEM1.22 PRO_MEM1.23 PRO_MEM1.28 PRO_MEM1.29 PRO_MEM1.30 PRO_MEM1.31 PRO_MEM1.32 PRO_MEM1.35 PRO_MEM1.36 PRO_MEM1.37 PRO_MEM1.38 PRO_MEM2.22 PRO_MEM2.23 PRO_MEM2.28 SD_CARD.CD SD_CARD.GND SD_CARD.WP Serial.9 VGA_MEM.1 VGA_MEM.2 VGA_MEM.21 VGA_MEM.22 VGA_MEM.23 VGA_MEM.24 VGA_MEM.25 VGA_MEM.42 VGA_MEM.43 VGA_MEM.44 VGA_Modul.5 VGA_PORT.4 VGA_PORT.9 VGA_PORT.11 VGA_PORT.12 VGA_PORT.15 VGA_PORT.16 VGA_PORT.17

## Polygon pours and split planes (outlines as drawn)
3.3V on Power Plane (split plane): 347.29,76.71 127.152,76.71 127.177,76.715 127.219,76.743 127.247,76.785 127.256,76.835 127.256,85.09 127.256,88.392 127.256,93.672 133.378,99.794 143.818,110.234 180.594,110.234 180.644,110.243 180.686,110.271 180.776,110.362 180.784,110.361 252.349,110.361 252.399,110.37 252.441,110.398 256.086,114.044 262.636,114.044 262.686,114.053 262.728,114.081 262.756,114.123 262.765,114.173 262.765,119.632 281.051,119.632 281.101,119.641 281.143,119.669 281.171,119.711 281.18,119.761 281.18,123.063 281.18,145.161 281.18,147.574 281.171,147.624 281.161,147.637 281.171,147.651 281.18,147.701 281.18,182.245 281.171,182.295 281.143,182.337 281.101,182.365 281.051,182.374 274.193,182.374 274.143,182.365 274.101,182.337 274.073,182.295 274.064,182.245 274.064,151.767 250.952,151.767 250.902,151.758 250.86,151.73 250.832,151.688 250.823,151.638 250.823,128.959 246.034,124.171 244.548,122.684 72.138,122.684 72.138,143.254 72.209,143.254 72.235,143.228 72.277,143.2 72.326,143.19 72.376,143.2 72.418,143.228 72.435,143.254 117.729,143.254 117.779,143.263 117.821,143.291 117.849,143.333 117.858,143.383 117.849,143.433 117.821,143.475 117.779,143.503 117.742,143.51 117.779,143.517 117.821,143.545 119.98,145.704 120.008,145.746 120.017,145.796 120.017,146.558 120.008,146.608 119.98,146.65 119.938,146.678 119.89,146.687 119.89,210.058 119.881,210.108 119.853,210.15 119.811,210.178 119.761,210.187 102.491,210.187 102.491,219.71 102.482,219.76 102.454,219.802 102.412,219.83 102.362,219.839 91.599,219.839 91.549,219.83 91.507,219.802 91.479,219.76 91.469,219.71 91.469,213.191 89.989,211.711 51.616,211.711 51.31,212.017 51.31,285.69 347.29,285.69
5.0V on Power Plane (split plane): 102.233,210.058 102.242,210.008 102.27,209.966 102.312,209.938 102.362,209.929 119.632,209.929 119.632,146.558 119.641,146.508 119.669,146.466 119.711,146.438 119.759,146.429 119.759,145.85 117.637,143.729 117.609,143.687 117.6,143.637 117.609,143.587 117.637,143.545 117.679,143.517 117.704,143.512 72.317,143.512 72.265,143.564 72.265,174.117 72.256,174.167 72.228,174.209 72.186,174.237 72.136,174.246 72.086,174.237 72.044,174.209 71.828,173.992 57.912,173.992 57.862,173.983 57.82,173.955 57.731,173.865 51.616,173.865 51.31,174.171 51.31,211.65 51.47,211.49 51.512,211.462 51.562,211.453 90.043,211.453 90.093,211.462 90.135,211.49 91.69,213.046 91.718,213.088 91.728,213.138 91.728,219.581 102.233,219.581
2.5V on Power Plane (split plane): 280.922,147.755 249.501,116.334 140.589,116.334 140.539,116.325 140.497,116.297 126.057,101.856 72.265,101.856 72.265,122.426 244.602,122.426 244.652,122.435 244.694,122.463 246.218,123.987 251.044,128.813 251.072,128.855 251.081,128.905 251.081,151.509 274.193,151.509 274.243,151.518 274.285,151.546 274.313,151.588 274.322,151.638 274.322,182.116 280.922,182.116
1.2V on Power Plane (split plane): 280.922,145.161 280.922,123.063 280.922,119.89 262.636,119.89 262.586,119.881 262.544,119.853 262.516,119.811 262.507,119.761 262.507,114.302 256.032,114.302 255.982,114.293 255.94,114.265 252.295,110.619 180.893,110.619 180.876,110.645 180.834,110.673 180.784,110.683 180.735,110.673 180.693,110.645 180.54,110.492 143.764,110.492 143.714,110.483 143.672,110.455 133.195,99.977 127.035,93.818 127.007,93.776 126.998,93.726 126.998,88.392 126.998,85.09 126.998,76.964 72.825,76.964 72.265,77.524 72.265,101.471 126.238,101.471 126.288,101.48 126.33,101.508 140.643,115.822 249.428,115.822 249.478,115.831 249.52,115.859 280.922,147.261
12.0V on Power Plane (split plane): 71.88,76.71 51.31,76.71 51.31,173.099 71.88,173.099
3.3V on Power Plane (split plane): 51.47,173.644 51.512,173.616 51.562,173.607 57.785,173.607 57.835,173.616 57.877,173.644 57.966,173.734 71.882,173.734 71.932,173.743 71.974,173.771 72.007,173.804 72.007,173.357 51.31,173.357 51.31,173.804
3.3V on Power Plane (split plane): 72.679,76.743 72.721,76.715 72.746,76.71 72.138,76.71 72.138,77.284
GND on Ground Plane (split plane): 347.29,76.71 51.31,76.71 51.31,285.69 347.29,285.69

## Keep-outs
Keep-Out Layer:
  lines w0.3: 52.1,77.5 52.1,284.9 346.5,284.9 346.5,77.5 52.1,77.5

## Other copper
Power Plane (plane layer: these items are gaps in the copper):
  lines w0.254: 49.403,173.228 72.009,173.228 72.009,75.819 71.374,76.454 50.546,76.454 50.419,76.581 ; 50.165,175.006 50.292,175.006 51.562,173.736 57.785,173.736 57.912,173.863 65.278,173.863 71.882,173.863 72.136,174.117 72.136,143.51 72.326,143.32 ; 50.927,224.282 50.927,212.217 51.562,211.582 64.389,211.582 90.043,211.582 91.599,213.138 91.599,219.71 98.171,219.71 102.362,219.71 102.362,210.058 119.761,210.058 119.761,146.558 ; 72.136,143.383 117.729,143.383 ; 117.729,143.637 119.888,145.796 119.888,146.558 ; 72.136,77.47 72.771,76.835 127.127,76.835 127.127,85.09 127.127,88.392 127.127,93.726 133.286,99.885 143.764,110.363 180.594,110.363 180.784,110.553 180.784,110.49 252.349,110.49 256.032,114.173 262.636,114.173 262.636,119.761 273.05,119.761 276.987,119.761 281.051,119.761 281.051,123.063 281.051,145.161 281.051,147.574 249.428,115.951 183.102,115.951 140.589,115.951 126.238,101.6 105.696,101.6 72.136,101.6 72.136,77.47 ; 72.136,101.727 126.111,101.727 140.589,116.205 245.872,116.205 249.555,116.205 281.051,147.701 281.051,182.245 274.193,182.245 274.193,151.638 265.462,151.638 250.952,151.638 250.952,128.905 246.126,124.079 244.602,122.555 154.686,122.555 119.126,122.555 93.694,122.555 72.136,122.555 72.136,101.727

## Silkscreen, mask and mechanical layers (free items; w line width, h text height)
Top Overlay:
  lines w0.254: 50.8,173.609 109.474,173.609 117.602,165.481 117.602,76.708 ; 72.263,76.708 72.263,173.355 ; 72.263,143.383 117.602,143.383 ; 72.39,101.6 117.602,101.6 ; 72.39,123.19 117.475,123.19
  text "Datamaskiner Prosjekt 2012" at 251.46,251.46 h1.52 r270
  text "256 Shades" at 216.027,246.507 h3.05 r15
  text "Of Gray" at 229.362,245.491 h3.05 r15
  text "Andreas Steensnaes Morland" at 210.946,242.062 h1.52
  text "Christer Bru" at 232.275,239.649 h1.52
  text "Einar Johan Troean Soemaaen" at 209.169,237.236 h1.52
  text "Erik Lothe" at 235.322,234.823 h1.52
  text "Hans Kristian Flaatten" at 218.056,232.41 h1.52
  text "Haakon Opsvik Wikene" at 220.087,230.505 h1.52
  text "Jean Niklas L'Orange" at 220.595,228.092 h1.52
  text "Lichao Tang" at 233.545,225.679 h1.52
  text "Mads Buvik Sandvei" at 223.388,222.758 h1.52
  text "Martin Gammelsaeter" at 222.372,220.345 h1.52
  text "Sondre Andreas Engebraaten" at 210.692,218.44 h1.52
  text "Trygve Aaberge" at 228.72,216.027 h1.52
  text "Vegard Edvardsen" at 225.673,213.614 h1.52
  text "5.0V" at 108.712,159.639 h1.52
  text "3.3V" at 108.204,139.319 h1.52
  text "2.5V" at 108.712,118.999 h1.52
  text "1.2V" at 108.331,95.758 h1.52
Drill Drawing:
  text ".LEGEND" at 352.88,81.28 h1.52
  text "Drill Drawing." at 352.88,78.74 h1.52

## Text inside footprints (layer, text, board x,y; h text height)
E1: Top Overlay "+" at 69.33,147.85 h1.5 r90
E2: Top Overlay "+" at 99.81,147.85 h1.5 r90
E3: Top Overlay "+" at 69.33,127.53 h1.5 r90
E4: Top Overlay "+" at 99.81,127.53 h1.5 r90
E5: Top Overlay "+" at 69.33,107.21 h1.5 r90
E6: Top Overlay "+" at 99.81,107.21 h1.5 r90
E7: Top Overlay "+" at 68.822,84.35 h1.5 r90
E8: Top Overlay "+" at 99.81,84.35 h1.5 r90
FPGA_JTAG: Top Overlay "2" at 259.588,182.372 h1.27 r90; Top Overlay "1" at 262.128,182.372 h1.27 r90; Top Overlay "14" at 259.588,202.692 h1.27 r90; Top Overlay "13" at 262.128,202.692 h1.27 r90
JTAG1: Top Overlay "10" at 203.835,202.565 h1.27; Top Overlay "9" at 203.835,200.025 h1.27; Top Overlay "1" at 190.119,200.025 h1.27; Top Overlay "2" at 189.611,202.565 h1.27
P4: Top Overlay "6" at 189.484,106.172 h1.27; Top Overlay "5" at 189.484,103.632 h1.27; Top Overlay "2" at 180.34,106.172 h1.27; Top Overlay "1" at 180.848,103.632 h1.27
P5: Top Overlay "2" at 100.838,243.84 h1.27 r270; Top Overlay "1" at 98.298,243.332 h1.27 r270; Top Overlay "7" at 98.298,232.156 h1.27 r270; Top Overlay "8" at 100.838,232.156 h1.27 r270
P10: Top Overlay "2" at 185.547,208.534 h1.27 r180; Top Overlay "1" at 185.039,211.074 h1.27 r180; Top Overlay "7" at 173.863,211.074 h1.27 r180; Top Overlay "8" at 173.863,208.534 h1.27 r180
P11: Top Overlay "2" at 172.339,208.534 h1.27 r180; Top Overlay "1" at 171.831,211.074 h1.27 r180; Top Overlay "7" at 160.655,211.074 h1.27 r180; Top Overlay "8" at 160.655,208.534 h1.27 r180
P12: Top Overlay "2" at 157.607,208.534 h1.27 r180; Top Overlay "1" at 157.099,211.074 h1.27 r180; Top Overlay "7" at 145.923,211.074 h1.27 r180; Top Overlay "8" at 145.923,208.534 h1.27 r180
P13: Top Overlay "12" at 140.716,124.968 h1.27 r180; Top Overlay "1" at 139.7,127.508 h1.27 r180; Top Overlay "1" at 140.716,127.508 h1.27 r180; Top Overlay "1" at 157.988,127.508 h1.27 r180; Top Overlay "2" at 157.988,124.968 h1.27 r180
P29: Top Overlay "2" at 187.96,160.528 h1.27 r180; Top Overlay "1" at 187.96,163.068 h1.27 r180; Top Overlay "37" at 138.176,163.068 h1.27 r180; Top Overlay "38" at 138.176,160.528 h1.27 r180
P31: Top Overlay "18" at 160.528,124.968 h1.27 r180; Top Overlay "17" at 160.528,127.508 h1.27 r180; Top Overlay "1" at 185.42,127.508 h1.27 r180; Top Overlay "2" at 185.928,124.968 h1.27 r180
Serial: Top Overlay "6" at 55.775,236.645 h1.5 r90; Top Overlay "9" at 55.775,244.955 h1.5 r90; Top Overlay "5" at 65.175,246.34 h1.5 r90; Top Overlay "1" at 65.175,235.51 h1.5 r90
VGA_PORT: Top Overlay "VGA" at 253.079,78.124 h1.52 r0.27